# Altium PCB uTCA_MCH_PCB3.pcbdoc (part 4 of 25) (continued)
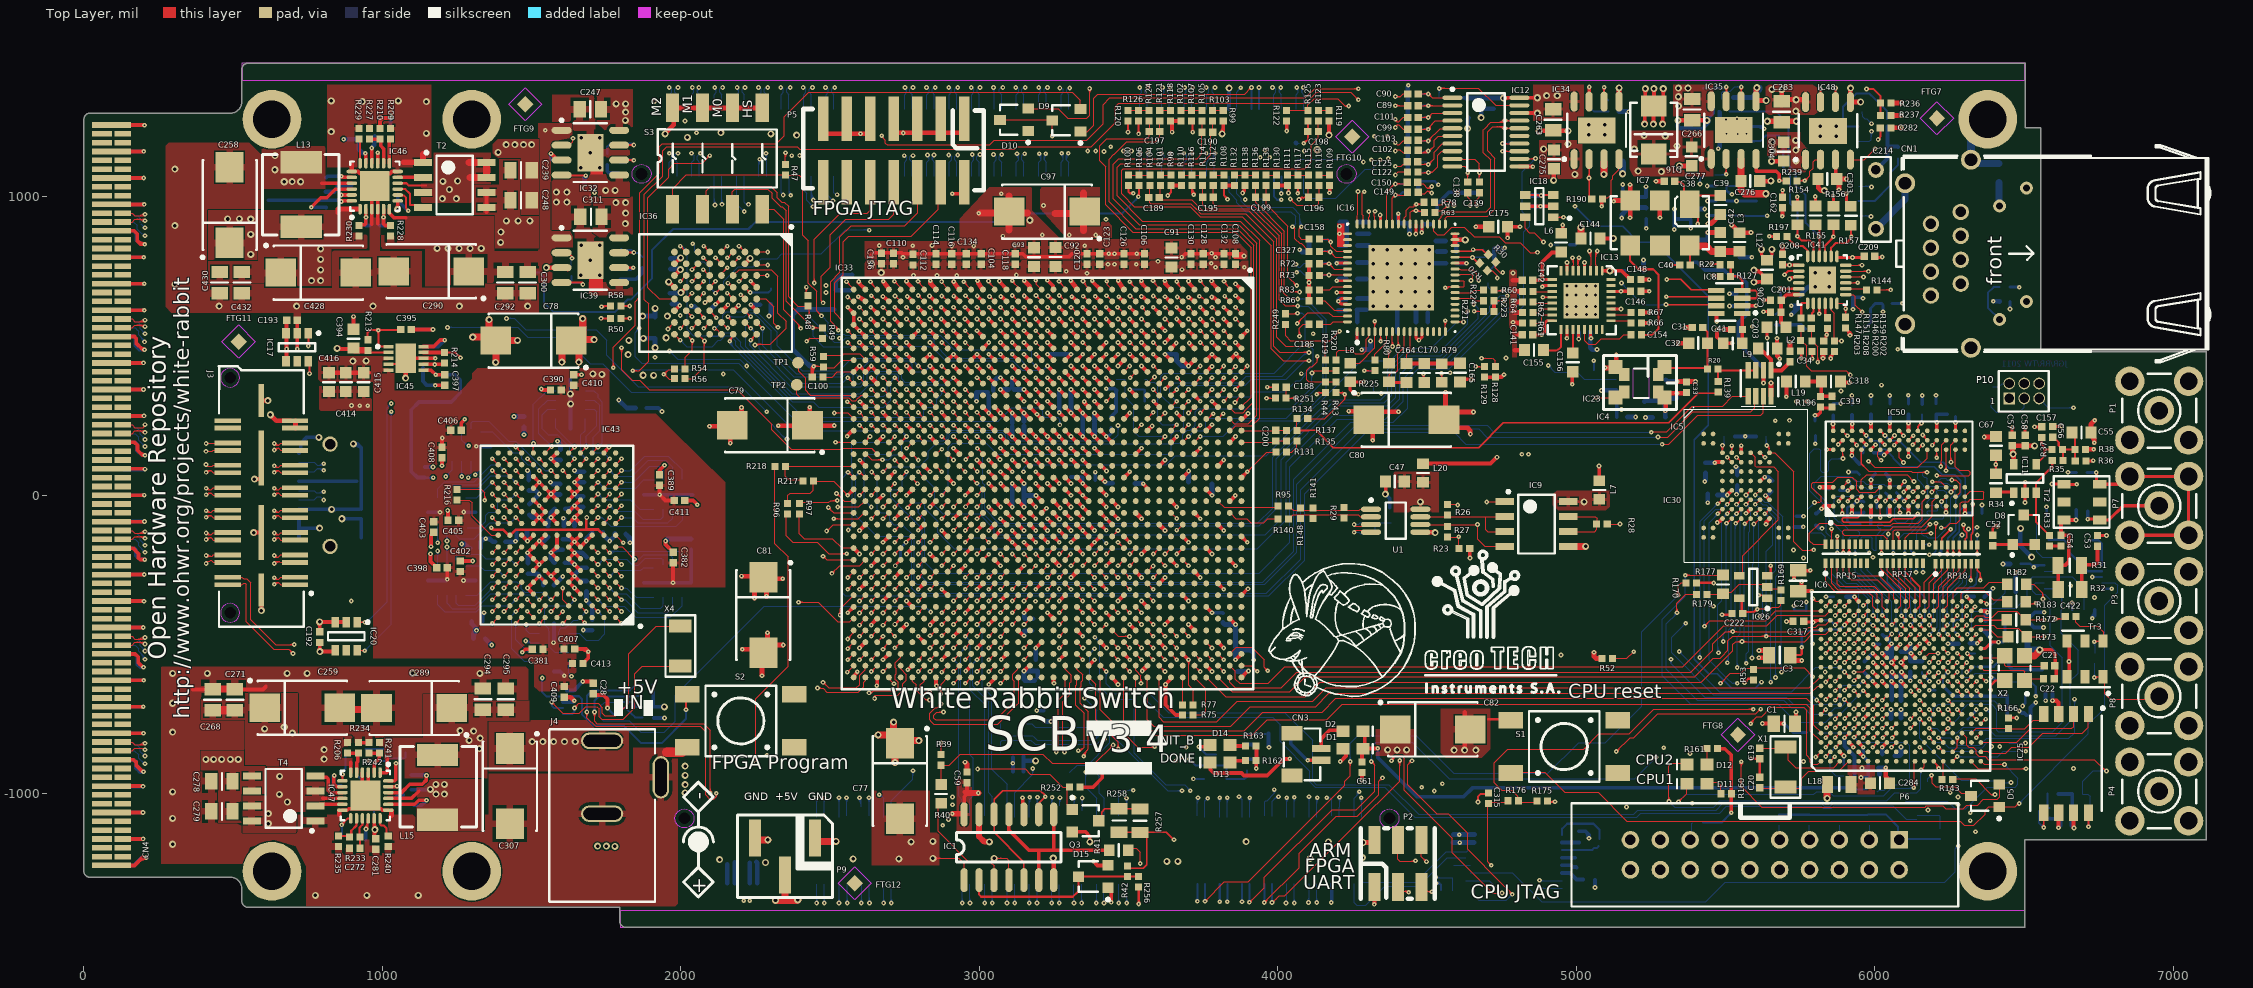
[diagram p0: Top Layer view]
## Nets (pads, with @x,y where several pads share a name; then routed paths per layer and width w, separated by ;. In a path a pad name is that pad's centre, name@x,y a point inside that pad or via, vN(x,y) a via of type N, cw(c..) or ccw(c..) an arc to the next point about the centre after c; other vN are vias at no path point) (continued)
  Top Layer w15.75: v2(624.8,269.65) 644.61,249.84 J3.31@693.11,249.84 ; J3.29@708.86,225.59 J3.31@708.86,249.06 ; v1(2637.8,393.7) IC33.AM9@2657.48,374.02 ; v1(2755.91,433.07) IC33.AJ8@2776.5,412.48 ; IC33.U24@3248.03,-216.54 v1@3266.57,-235.08 ; IC33.H21@3602.36,-98.43 v1(3622.05,-118.11) ; v1(5059.06,-525.59) 5059.06,-541.06 5064.66,-546.66 R52.1@5085.5,-546.66 ; v2@6460.34,135.26 cw(c6447.56,122.48) 6465.63,122.48 ; v2@6461,140.9 6461,164.65 C57.2@6459.94,165.71 C58.2@6503.44,165.71 ; 6461,152.66 ccw(c6477.74,152.66) v2@6465.9,140.82 ; IC11.5@6465.63,103.31 v2@6465.63,132 ; C58.2@6503.72,165.99 C58.2@6503.44,165.71 ; v2@6535.37,164.9 6534.56,165.71 C58.2@6503.44,165.71 ; R38.2@6706.18,153.07 6707.11,154 v1(6733,154)
  Top Layer w27.56: C268.1@431.1,-720.47 C271.1@505.9,-720.47
  MidLayer2 w8: v1@5679.85,1053.85 v1(5680,1054)
  MidLayer2 w11.81: v1@5414,1044.97 ccw(c5414,1060.1) 5424.7,1049.4 ; v1@5417.22,1041.92 5429.93,1054.63 5526.85,1054.63 5559.16,1086.94 5661.71,1086.94 5679.85,1068.8 v1@5679.85,1053.85
  Bottom Layer w3.94: v1(2039.88,842.95) 2047.13,835.71 R55.2@2047.13,818.07
  Bottom Layer w6.89: C270.1@431.1,-720.47 C270.1@431.42,-720.79 ; C269.2@505.9,-720.47 517.76,-720.47 C269.2@518.36,-719.87 ; R207.1@1633.02,733.89 1633.02,714.61 1636.07,711.56 1666.42,711.56 v1(1671.67,706.31) ; v1@2234.25,712.11 cw(c2234.25,701.41) 2241.81,708.97 cw(c2249.37,716.54) v1@2238.68,716.54 ; v1(2234.25,716.54) 2246.06,704.72 R57.2@2257.87,704.72 ; R46.2@3891.36,-835.18 R46.2@3894.25,-838.07 ; 3925.39,-884.12 3926.37,-885.1 ; v1(5058.45,450.29) 5058.45,419.23 R211.2@5058.66,419.02 ; R11.2@5424.53,-1096.71 5486.1,-1096.71 v1@5518.5,-1064.31 ; 5511.11,-1071.7 cw(c5519,-1079.58) v1@5519,-1068.43 ; 5511.57,-1071.24 ccw(c5504.34,-1064) v1@5514.57,-1064 ; R10.2@5678.74,-1070.47 R9.2@5780.62,-1070.47 ; R9.2@5780.64,-1070.49 5976.03,-1070.49 5977.65,-1068.87 6036.44,-1068.87 6077.49,-1109.92 P6.1@6077.49,-1155.02 ; P6.1@6097.25,-1151.98 6097.44,-1152.17 R51.1@6218.73,-1152.17
  Bottom Layer w8: v1@5411.26,1045.74 ccw(c5404.65,1052.35) 5414,1052.35 ccw(c5423.35,1052.35) v1@5416.74,1045.74 ; v1(5414,1043) 5414,1059.75 R191.1@5428.7,1074.45 ; v1@5811.26,610.74 ccw(c5804.51,617.49) 5814.06,617.49 ; v1(5814,608) 5814.06,608.06 C210.2@5814.06,632.36 ; 5814.06,617.22 ccw(c5823.22,617.22) v1@5816.74,610.74 ; R15.2@6311.1,-750.47 6340,-721.57 v1(6340,-718) ; 6330.86,-730.72 ccw(c6318.14,-718) v1@6336.13,-718 ; R5.1@6522.28,-624.68 6539,-641.4 v1(6539,-673) ; v1@6536.26,-670.26 ccw(c6529.65,-663.65) 6539,-663.65 ccw(c6548.35,-663.65) v1@6541.74,-670.26 ; v1@6657.94,-363.21 cw(c6648.33,-372.82) R14.2@6661.92,-372.82 ; R14.2@6661.81,-383.94 6661.92,-384.05 v1@6661.92,-360.47
  Bottom Layer w12.6: CN2.2@720.47,-141.73 CN2.4@720.47,-110.24 ; CN2.6@720.47,-82.68 CN2.4@720.47,-110.24 ; v2@785.47,-114.13 ccw(c776.06,-123.54) 776.06,-110.24 ccw(c776.06,-96.93) v2@785.47,-106.34 ; v2(789.37,-110.24) CN2.4@720.47,-110.24 ; C417.1@1137.8,498.03 1187.01,498.03 v1(1208.66,519.68) ; R18.2@1907.48,-635.83 R19.2@1907.48,-673.23 R17.2@1907.48,-708.66 v2@1948.82,-708.66 ; 1931.57,-708.66 ccw(c1931.57,-695.35) v2@1940.98,-704.76 ; 1931.58,-708.66 cw(c1931.58,-721.97) v2@1940.98,-712.56 ; L5.2@3388.43,50.75 v1(3388.43,77.48) ; v2@3832.9,1360.34 cw(c3824.33,1351.77) 3836.46,1351.77 ; J1.81@3836.46,1293.9 v2@3836.46,1363.89 ; 3836.46,1350.1 cw(c3850.94,1350.1) v2@3840.7,1360.34 ; R46.2@3889.76,-834.65 3913.39,-834.65 3927.17,-848.43 v1(3927.17,-915.35) ; R45.1@3893.97,-884.12 3925.39,-884.12 ; v1(5927,623) 5927.13,623.13 C211.2@5927.13,663.23 5956.77,663.23 v1(5960,660) ; 5948.4,663.23 cw(c5948.4,648.4) v1@5958.89,658.89 ; v1@6726.89,-410.89 ccw(c6702.36,-386.36) R13.2@6737.05,-386.36 ; v1@6728,-411 6737.05,-401.95 R13.2@6737.05,-383.7
  Bottom Layer w15.75: C269.2@503.62,-722.76 C269.2@505.9,-720.47 ; R181.1@1676.83,1037.18 1676.83,1064.15 v1@1680.85,1068.17 ; v2(1872.05,600.39) C64.2@1913.39,600.39 ; C64.2@1913.39,596.26 v2(1913.39,625.98) ; C65.2@1962.6,677.17 v2@1998.03,677.17 ; 1985.74,677.17 ccw(c1985.74,693.39) v2@1997.22,681.92 ; C66.2@2100.12,621.34 2100.12,623.74 v1(2116.14,639.76) ; v1(3070.87,354.33) C86.2@3098.74,354.33 ; C86.2@3110.24,360.12 v1(3110.24,393.7) ; C86.2@3115.55,354.33 v1(3149.61,354.33) ; v1@3150.2,-394.29 3150.2,-410.83 3152.76,-413.39 3157.76,-413.39 ; 3157.8,-413.43 C83.1@3179.76,-413.43 ; C85.2@3188.98,-550.83 v1(3188.98,-511.81) ; C5.1@6024.32,-866.66 v1(6024.32,-843.95) ; C11.1@6087.32,-687.93 C13.1@6087.32,-654.11 v1(6087.32,-623.48) v1@6087.32,-594.11
  Bottom Layer w27.56: C270.1@431.1,-720.47 C269.2@505.9,-720.47
  other v1: 4323.2,-1370.67 2856.65,-638.62 3250,-629.92 6089.28,-591.98 3031.49,-431.1 6728,-412 6660.68,-360.47 3266.57,-235.71 3857.16,-0.96 3346.46,393.7 3858.27,393.7 1175.55,438.19 1734.25,631.89 2420.47,697.28 6000.64,1160.94
  other v2: 805.12,-883.86 805.12,-852.36 698.19,-797.17 605.2,-782.44 671.18,-776.46 1944.88,-708.66 6463.12,138.04 6535.06,165.46 1954.72,600.39 3836.8,1364.24
+2V5_PLL: C151.2 C159.2 C167.1 C169.2 C171.2 C172.2 C263.2 C264.2 C309.2 IC12.18 IC12.20 IC16.27 IC16.41 IC16.54 IC34.8 R188.1 R248.2 | length 651.7
  Top Layer w3.94: v1@4192.91,777.56 v1(4196.85,777.56)
  Top Layer w6.89: v2@4753.13,1329.51 v2@4754.87,1331.25
  Top Layer w9.84: v1(4196.85,777.56) IC16.54@4234.29,777.56 ; IC16.41@4403.54,908.46 v1(4403.54,942.91) ; IC16.27@4593.5,777.56 v1(4631.89,777.56)
  Top Layer w12.6: v2@4756.42,1331.61 IC12.20@4787.91,1331.61 ; v2@4759.8,1326.81 cw(c4771.4,1315.22) 4771.4,1331.61 ; IC12.18@4809.06,1280.51 v2(4869.09,1280.51) ; IC12.20@4809.06,1331.69 v2(4869.09,1331.69) ; v2@4865.2,1276.61 ccw(c4855.79,1267.21) 4855.79,1280.51 ccw(c4855.79,1293.82) v2@4865.2,1284.41 ; v2@4865.2,1327.8 ccw(c4855.79,1318.39) 4855.79,1331.69 ccw(c4855.79,1345) v2@4865.2,1335.59
  Bottom Layer w12.6: R248.2@4575.34,1331.73 C151.2@4624.63,1331.73
  Bottom Layer w15.75: v1@4195.67,777.83 C172.2@4231.1,777.83 ; v1(4403.54,942.91) C169.2@4403.54,911.42 C167.1@4440.94,911.42 ; v1@4440.94,877.95 C167.1@4440.94,901.57 ; C171.2@4598.43,777.56 v1@4625.98,777.56 ; C151.2@4629.92,1330.71 C309.2@4679.13,1330.71 ; C309.2@4681.1,1330.71 4724.41,1330.71 v2(4755.91,1330.71)
  other v1: 4440.73,874.93
  other v2: 4900.48,1338.52 4935.91,1338.52
+2V5_PLL_PG: IC33.AK14 IC34.2 R190.2 | length 5560.8
  Top Layer w3.94: v1(1838.58,417.32) 1860.24,417.32 1892.22,449.31 1892.22,641.24 1877.95,655.51 1877.95,1007.87 1938.98,1068.9 1938.98,1153.54 1952.26,1166.83 2390.26,1166.83 2398.47,1158.62 3117.28,1158.62 3125.98,1167.32 3374.02,1167.32 3454.72,1248.03 3454.72,1301.18 3466.54,1312.99 4093,1312.99 4130.01,1350 4244.49,1350 v1(4269.69,1324.8) ; v1@1842.76,413.15 cw(c1852.84,403.07) 1852.84,417.32 cw(c1852.84,431.58) v1@1842.76,421.5 ; v1@4263.78,1324.8 ccw(c4249.52,1324.8) 4259.6,1334.88 ccw(c4269.69,1344.97) v1@4269.69,1330.71
  Top Layer w4.92: IC33.AK14@2736.22,177.17 v1(2755.91,196.85) ; v1@2750.49,196.85 cw(c2737.42,196.85) 2746.66,187.61 cw(c2755.91,178.37) v1@2755.91,191.44 ; v1@5038.17,1059.17 cw(c5027.43,1048.43) 5042.62,1048.43 ; v1@5038.17,1066.83 ccw(c5026.99,1078.01) 5042.8,1078.01 ; R190.2@5042.62,991.26 5042.62,1062.38 v1(5042,1063) 5042.8,1063.8 IC34.2@5042.8,1125.92 ; 5042.62,1051.43 cw(c5053.57,1051.43) v1@5045.83,1059.17 ; 5042.8,1074.13 ccw(c5053.13,1074.13) v1@5045.83,1066.83
  MidLayer4 w3.94: v1@4271.08,1326.2 ccw(c4279.06,1334.17) 4279.06,1322.89 ; v1@4271.6,1322.89 4405.89,1322.89 ; v1@4273.86,1320.63 cw(c4279.32,1315.16) 4279.32,1322.89 ; v1@4273.86,1328.98 ccw(c4288.56,1343.68) 4288.56,1322.89 ; 4406,1323 4422,1307 4480.78,1307 4584.78,1203 4891.9,1203 4974.11,1120.79 5018.21,1120.79 5042,1097 v1(5042,1063) ; v1@5037.82,1067.18 ccw(c5027.74,1077.26) 5042,1077.26 ccw(c5056.26,1077.26) v1@5046.18,1067.18
  Bottom Layer w3.94: v1(1838.58,417.32) 1842.52,421.26 2175.2,421.26 2379.92,216.54 2738.19,216.54 v1@2755.91,198.82 ; v1@1839.97,415.93 cw(c1852.84,403.07) 1852.84,421.26 ; v1@1842.76,413.15 cw(c1862.34,393.56) 1862.34,421.26 ; 2744.43,210.29 cw(c2730.99,196.85) v1@2750,196.85 ; 2749.18,205.54 ccw(c2755.91,212.26) v1@2755.91,202.76 ; 2751.15,203.57 cw(c2744.43,196.85) v1@2753.94,196.85
+3V0_OSC: C235.2 IC38.5 L2.2 L9.2 R145.2 | length 360.1
  Top Layer w12.6: v1(5471,554) 5471,530 5477,524 5477.14,524 L9.2@5492.13,509.02 v1(5522,509) ; v1(5672,526) 5672.2,525.8 5672.2,465.8 v1(5681,457) ; L2.2@5672.2,482.04 ccw(c5706.04,482.04) v1@5682.11,458.11
  Bottom Layer w12.6: v1(5328,890) 5328.67,890.67 IC38.5@5328.67,925.04 ; v1(5329,959) 5328.67,958.67 IC38.5@5328.67,925.04 ; v1(5383,894) 5383,923.19 5382.88,923.31 5381.15,925.04 IC38.5@5328.67,925.04 ; v1(5513,634) 5535.41,634 R145.2@5536.1,633.31
+3V0_VM53: C33.1 C35.1 C236.2 IC4.4 IC23.4 IC44.5 | length 294.4
  Top Layer w15.75: v1(5297.53,282.63) v1@5298.63,283.73 ; v1@5299.14,284.19 IC4.4@5299.14,324.08 ; IC4.4@5301.39,339.83 5302.81,341.25 C33.1@5368.91,341.25
  Bottom Layer w15.75: IC44.5@5228.09,313.97 5230.2,316.09 5291.78,316.09 5297.26,321.57 5297.26,282.9 v1(5297.53,282.63) 5297.53,262.18 C236.2@5298.42,261.29 ; C35.1@5299.9,324.21 5335.07,324.21 5336.22,325.36 v1@5336.22,340.29
  other v1: 5336.87,341.26
+3V0_VM53_EN: IC33.AN15 IC44.3 R211.1 | length 2982.6
  Top Layer w3.94: IC33.AN15@2618.11,137.8 2620.43,137.8 2639.25,118.98 v1(2675.31,118.98) ; v1@2671.14,114.8 ccw(c2661.06,104.72) 2661.06,118.98 ccw(c2661.06,133.23) v1@2671.14,123.15
  MidLayer4 w3.94: v1@3464.65,227.99 cw(c3464.65,213.74) 3474.73,223.82 cw(c3484.81,233.9) v1@3470.55,233.9 ; v1(3464.65,233.9) 3479.06,219.49 3924.21,219.49 4009.09,304.37 4471.37,304.37 v1(4577,410) ; v1@4571.09,410 cw(c4556.84,410) 4566.92,399.92 cw(c4577,389.84) v1@4577,404.09
  MidLayer2 w3.94: v1@4577,415.91 ccw(c4577,430.16) 4587.08,420.08 ccw(c4597.16,410) v1@4582.91,410 ; v1@4579.5,412.5 4659,492 4849,492 v1(4906,435) ; v1@4900.09,435 ccw(c4885.84,435) 4895.92,445.08 ccw(c4906,455.16) v1@4906,440.91
  Bottom Layer w3.94: v1(2675.31,118.98) 2695.98,118.98 2712,135 2729,135 2740,146 2740,175 2748.07,183.07 2879.72,183.07 2891.73,195.08 2891.73,205.82 2904.41,218.51 3079.83,218.51 3096.46,201.88 3096.46,191.14 3104.53,183.07 3444.21,183.07 3464.65,203.5 v1(3464.65,233.9) ; v1@2679.49,114.8 cw(c2689.57,104.72) 2689.57,118.98 cw(c2689.57,133.23) v1@2679.49,123.15 ; v1@3460.47,229.72 cw(c3450.39,219.64) 3464.65,219.64 cw(c3478.9,219.64) v1@3468.82,229.72 ; v1@4906,429.09 cw(c4906,414.84) 4916.08,424.92 cw(c4926.16,435) v1@4911.91,435 ; v1(4906,435) 4928.1,412.9 5002.19,412.9 5025.72,389.37 R211.1@5061.64,389.37 ; R211.1@5063.65,388.77 IC44.3@5133.6,388.77
+3V3: C6.1 C26.2 C27.2 C29.2 C30.2 C59.2 C143.2 C144.1 C146.2 C148.2 C191.1 C192.1 C193.1 C194.1 C219.1 C242.1 C244.1 C250.2 C252.2 C275.1 C283.2 C287.2 CN2.1 CN2.3 CN2.5 D1.1 D15.2 IC1.14 IC2.10 IC6.V14 IC6.V17 IC7.2 IC13.1 IC13.4 IC13.7 IC13.20 IC13.27 IC13.30 IC17.3 IC17.4 IC18.3 IC18.4 IC19.4 IC19.5 IC20.4 IC21.1 IC22.4 IC25.3 IC25.6 IC31.16 IC34.1 IC38.1 IC38.3 IC44.1 IC48.8 L1.1 L3.2 L6.2 L7.2 L12.2 L18.1 L20.2 R12.2 R116.2 R165.2 R237.2 | length 4466
  Top Layer w6.89: 3712.6,1015.21 ccw(c3726.82,1015.21) v1@3716.76,1005.15 ; R116.2@3712.6,1031.84 ccw(c3743.45,1031.84) v1@3721.64,1010.02 ; R116.2@3712.6,1037.4 3712.6,1012.8 ; v1@3714.15,1007.73 ccw(c3708.6,1008.79) 3712.6,1012.79 ; v1@3717.67,1011.24 cw(c3716.6,1016.8) 3712.6,1012.79 ; v1(3718.5,1006.89) 3712.6,1012.8
  Top Layer w7: IC18.4@4828.74,1005.91 IC18.3@4923.23,1005.91 ; 4866.58,1005.91 cw(c4866.58,988.62) v1@4878.8,1000.84 ; v1@4884.98,1000.84 cw(c4897.2,988.62) 4897.2,1005.91
  Top Layer w9.84: IC13.7@4968.5,751.97 v1(4968.5,779.53) ; v4@5007.87,523.72 IC13.20@5007.87,555.12 ; IC13.4@5027.56,751.97 v1(5027.56,779.53) ; IC13.27@5116.14,624.02 v1(5149.61,624.02) ; IC13.30@5124.02,683.07 v1(5149.61,683.07)
  Top Layer w12.6: IC17.4@679.13,444.88 C193.1@679.13,580.71 ; v2@786.46,-519.72 ccw(c777.05,-510.31) 790.35,-510.31 ccw(c803.66,-510.32) 794.25,-519.72 ccw(c803.66,-510.32) 803.66,-523.62 ccw(c803.66,-536.93) v2@794.25,-527.52 ; C192.1@790.35,-493.11 v2(790.35,-523.62) IC20.4@838.58,-523.62 ; IC1.14@2949.02,-1069.25 2949.02,-1009.98 2958.78,-1000.22 2958.78,-997.22 ; 2949.26,-994.19 2952.29,-997.22 2958.78,-997.22 ; C59.2@2958.78,-962.87 2958.78,-997.22 ; v1(3382,-1226) 3396.1,-1240.1 D15.2@3430.75,-1240.1 ; v1@4210.63,-891.73 4228.35,-874.02 D1.1@4228.35,-848.42 ; L20.2@4486.38,105.98 4712.21,105.98 v4(4733.99,127.76) ; L6.2@4940.94,870.08 4954.71,883.85 v1(4954.71,905.51) ; v4(5075.86,97.85) 5076.79,96.92 L7.2@5076.79,49.15 ; C144.1@5078.74,860.24 v2(5124.02,860.24) ; IC13.1@5090.55,751.97 v2(5112.2,751.97) 5151.57,751.97 C148.2@5181.1,722.44 ; v2@5108.31,748.07 ccw(c5098.9,738.66) 5098.9,751.97 ccw(c5098.9,765.27) v2@5108.31,755.87 ; v2@5116.1,748.07 cw(c5125.51,738.66) 5125.51,751.97 cw(c5125.51,765.28) v2@5116.1,755.87 ; v2@5120.12,856.34 ccw(c5110.71,846.93) 5110.71,860.24 ccw(c5110.71,873.55) v2@5120.12,864.13 ; v1@5151.58,683.07 C146.2@5181.1,683.07 ; v2@5595,715 5628.78,715 L12.2@5638.23,724.45 5612.68,750 ; v2@5595,750 5612.68,750 ; v2@5598.9,710.1 cw(c5610.72,698.28) 5610.72,715 ; v2@5599.6,757.04 ccw(c5612.68,765.67) 5612.68,750 ; v1(6343.23,-495.53) IC6.V14@6355.04,-483.72 ; IC6.V17@6355.04,-387.26 6372.76,-387.26 6377,-391.5 v1(6377,-392) ; IC6.V17@6361.75,-387.26 cw(c6361.75,-407.25) v1@6375.89,-393.11 ; v1(6595,-688) 6609,-688 6615.59,-694.59 ; v1@6595.45,-689.51 cw(c6601.26,-708.92) 6615.59,-694.59 ; v1(6615,-1114) 6615.59,-1113.41 IC25.6@6615.59,-1041.85 ; IC25.3@6615.59,-754.45 6615.59,-694.59
  Top Layer w15.75: v1@5279.25,930.75 IC7.2@5279.25,987.12 ; v1@5521.62,905 L3.2@5546.77,879.84 5584.84,879.84 v1(5585,880) ; C283.2@5672.5,1326.13 C283.2@5688.02,1326.13 ; C283.2@5688.02,1324.95 C283.2@5688.02,1326.13 ; v2@5688.02,1358.98 C283.2@5688.02,1326.13 ; 5723.78,1326.13 cw(c5723.78,1312.78) v2@5733.22,1322.22 ; v2@5738.78,1322.22 cw(c5748.22,1312.78) 5748.22,1326.13 ; IC48.8@5767.86,1317.19 5758.92,1326.13 C283.2@5688.02,1326.13 ; R237.2@6053.61,1272.43 v1@6088.57,1272.43
  Top Layer w19.68: v1(2909.42,-1066.95) IC1.14@2943.62,-1066.95 ; 2958.78,-997.22 v1(2996.47,-997.22)
  Top Layer w23.62: v2@5840.07,-1010.96 L18.1@5840.07,-978.42
  MidLayer4 w7: 3413.51,925 cw(c3413.51,914.17) v1@3421.17,921.83 ; 3413.89,925 ccw(c3413.89,935.29) v1@3421.17,928.01 ; v1@3420.63,357 ccw(c3410.07,357) 3417.53,364.47 ccw(c3425,371.93) v1@3425,361.37 ; v1(3424.26,924.92) 3424.18,925 3382,925 3327,870 3327,707.24 3313.35,693.59 3300.63,693.59 3289,681.96 3289,461 3297,453 3393,453 3405,441 3405,377 v1(3425,357)
  Bottom Layer w3.94: C143.2@5008.48,545.61 C143.2@5011.21,548.34
  Bottom Layer w8: C27.2@6489.17,-229.65 6520.65,-229.65 v1(6532,-241) 6538.67,-234.33 IC2.10@6567.96,-234.33 ; v1@6528.13,-241 ccw(c6518.77,-241) 6525.39,-234.39 ccw(c6532,-227.77) v1@6532,-237.13 ; v1@6529.08,-238.08 cw(c6538.14,-247.14) 6538.14,-234.33 ; v1@6534.74,-243.74 cw(c6557.45,-266.45) IC2.10@6557.45,-234.33 ; v1@6572.26,-41.74 cw(c6562.7,-51.3) 6576.22,-51.3 ; R12.2@6576.22,-67.17 v1@6576.22,-40.22
  Bottom Layer w11.81: C242.1@5007.32,-1125.62 5030.94,-1125.62 ; v1@5040.41,-1149.11 ccw(c5008.06,-1148.51) 5030.94,-1125.62 ; v1@5042.75,-1147.64 5042.75,-1137.43 5030.94,-1125.62
  Bottom Layer w12.6: v2(864.17,-78.74) CN2.5@929.13,-78.74 CN2.3@929.13,-110.24 CN2.1@929.13,-141.73 ; v2@868.07,-82.64 cw(c877.48,-92.05) 877.48,-78.74 cw(c877.48,-65.43) v2@868.07,-74.84 ; C29.2@3147.64,-925.2 IC21.1@3147.64,-874.02 ; v1(3425,357) 3453.43,357 IC19.5@3459.13,351.3 ; C194.1@3440.16,262.13 3457.76,279.72 3457.76,313.9 IC19.5@3457.76,351.3 ; C244.1@4586.47,-1135.45 C244.1@4587.79,-1136.77 ; v2(5112.2,751.97) 5161.02,751.97 C287.2@5161.57,751.42 ; v2@5116.1,748.07 cw(c5125.51,738.66) 5125.51,751.97 cw(c5125.51,765.28) v2@5116.1,755.87 ; IC44.1@5133.6,313.97 5135.02,312.55 5135.02,288.09 ; C252.2@5135.02,262.32 5135.02,288.09 ; v1(5151.04,287.09) 5150.04,288.09 5135.02,288.09 ; v1(5155,1041) 5155,1021.07 C250.2@5176.62,999.45 5233.79,999.45 IC38.3@5234.18,999.84 5233,1001.02 v1(5233,1034) ; v1(5234,894) 5234.18,894.18 IC38.1@5234.18,925.04 ; v1(6572,-688) L1.1@6572,-664.42 ; R165.2@6585.68,-1083.08 6586.75,-1084.15 C219.1@6622.1,-1084.15 ; v1(6595,-688) L1.1@6595,-658 ; v1@6613.89,-1112.89 ccw(c6593.48,-1092.48) C219.1@6622.34,-1092.48 ; v1(6615,-1114) 6622.34,-1106.66 C219.1@6622.34,-1083.5
  Bottom Layer w15.75: 3151.81,-889.57 v2(3188.39,-889.57) ; C30.2@3217.28,-757.87 v1(3240.15,-757.87) 3254.4,-743.62 IC22.4@3281.69,-743.62 ; C244.1@4587.79,-1136.77 IC31.16@4659.28,-1136.77 ; C191.1@4850.39,1003.94 v1(4881.89,1003.94) ; v4@5008.48,525.57 C143.2@5008.48,545.61 ; C6.1@6318.43,-495.53 v1(6343.23,-495.53) ; C26.2@6371.78,-419.97 6371.78,-396.11 6375.89,-392 v1(6377,-392) ccw(c6389.6,-404.6) 6371.78,-404.6 ; v2(6488,-111) 6487.48,-111.52 6487.48,-169.48 v2(6525,-207)
  other v1: 5042.38,-1149.15 4607.74,-1137.22 4208.66,-891.73 6575,-39 679.13,490.16 5520,905 5280,930 6089,1272
  other v2: 1750.08,-1175.75 1778.86,-1176.14 1721.1,-1175.39 5840.27,-1015.61 5595,714 5595,754 4995,1075 4890,1160 4972.17,1176.67 5735.64,1287.17 5736,1325 5655,1360 5688,1360
  other v4: 5007.85,523.7
+3V3_PG: IC33.AJ15 IC48.2 R239.2 | length 3622.4
  Top Layer w3.94: IC33.AJ15@2775.59,137.8 v1@2795.12,118.27 ; v1@2789.37,118.11 ccw(c2775.11,118.11) 2785.19,128.19 ccw(c2795.28,138.27) v1@2795.28,124.02
  Top Layer w4: R239.2@5738.53,1053.1 5738.63,1053 5765,1053 5782.46,1070.46 5782.46,1085.46 5793,1096 5793,1117 5800.28,1124.28 IC48.2@5817.86,1124.28 ; R239.2@5748.4,1053 ccw(c5748.4,1070.6) v1@5760.85,1058.15 ; 5753.23,1053 cw(c5753.23,1042.23) v1@5760.85,1049.85 ; v1@5765,1059.87 ccw(c5765,1076.47) 5776.73,1064.73 ; v1@5770.87,1054 cw(c5782.64,1054) 5774.32,1062.32
  MidLayer3 w3.94: v1@2794.09,118.11 2848.59,172.61 ; v1@2795.28,124.02 ccw(c2795.28,135.42) 2803.34,127.36 ; v1@2801.18,118.11 cw(c2818.29,118.11) 2806.19,130.21 ; 2849.12,172.87 3801.22,172.87 3845.48,217.13 3922.13,217.13 4097.77,392.77 4115.6,392.77 4272.44,549.61 4370.08,549.61 4427.56,607.09 4532.25,607.09 4549.46,624.3 4549.46,653.51 4685.08,789.13 4940.84,789.13 5097.3,945.59 5126.09,945.59 5196.25,1015.75 5494.07,1015.75 5514.5,1036.18 5644.98,1036.18 5645.07,1036.27 5747.54,1036.27 v1@5765.4,1054.13
  other v1: 2795.28,118.11 5765,1054
+3V3_PHY: C68.2 C162.2 C208.1 C209.1 C212.1 C213.1 C215.1 C216.1 IC40.4 IC41.1 IC41.19 L12.1 R154.2 R155.2 R156.2 R157.2 Tr1.2 Tr1.7 | length 1154.6
  Top Layer w10: v2@5615.18,819.18 cw(c5603.56,807.56) 5620,807.56 cw(c5636.44,807.56) v2@5624.82,819.18 ; v2(5620,824) 5620,805.67 L12.1@5638.23,787.44 5655,804.21 v2(5655,824) ; v2@5650.18,819.18 cw(c5638.56,807.56) 5655,807.56 cw(c5671.44,807.56) v2@5659.82,819.18 ; C208.1@5692.12,770.6 IC41.1@5745.08,770.6 ; 5705.83,770.6 ccw(c5705.83,779.66) v1@5712.24,773.25 ; v1@5716.3,773.25 ccw(c5722.71,779.66) 5722.71,770.6 ; v1@5737.97,997.57 cw(c5731.88,991.48) 5740.49,991.48 ; R154.2@5740.49,968.91 v1@5740.49,997.68 ; v1@5798.53,999.02 cw(c5792.27,992.76) 5801.12,992.76 ; R155.2@5801.12,968.91 v1@5801.12,1001.05 ; v1@5858.6,1000.94 cw(c5851.56,993.9) 5861.51,993.9 ; R156.2@5861.51,968.51 v1@5861.51,1003.51 ; IC41.19@5873.03,800.13 5876.94,796.22 v1(5925,796.22) C209.1@5964.09,796.22 ; v1@5902.2,1008.32 cw(c5895.43,1001.55) 5905,1001.55 ; v1@5905,1005 5905,982.15 R157.2@5919.54,967.61
  Top Layer w12.6: v1@5690.87,935.87 C162.2@5690.87,962.87
  MidLayer1 w3.94: 5611.61,985.99 5612.61,984.99
  MidLayer1 w27.56: v1(5536.21,985.99) 5611.61,985.99
  Bottom Layer w10: C216.1@5503.58,985.75 5503.78,985.94 Tr1.2@5604.06,985.94 ; C213.1@5511.46,1235.87 Tr1.7@5565.2,1235.87 ; Tr1.7@5565.28,1235.94 5620.31,1235.94 v1@5629.49,1226.76 ; Tr1.7@5602.23,1235.94 cw(c5602.23,1200.24) v1@5627.48,1225.49 ; v2@5615.18,819.18 cw(c5603.56,807.56) 5620,807.56 cw(c5636.44,807.56) v2@5624.82,819.18 ; v2@5620,820 5620,804.13 C68.2@5641.69,782.44 5655,795.75 v2@5655,820 ; 5623.27,1232.98 ccw(c5629.51,1239.22) v1@5629.51,1230.39 ; v2@5650.18,819.18 cw(c5638.56,807.56) 5655,807.56 cw(c5671.44,807.56) v2@5659.82,819.18 ; C212.1@5690.71,772.09 5714.91,772.09 5715.78,771.22 v1(5714.27,771.22) ; 5705.24,772.09 cw(c5705.24,762.19) v1@5712.24,769.19 ; IC40.4@5965.94,557.83 5985,576.89 5985,626 6001.91,642.91 C215.1@6021.97,642.91 6027,637.88 v1(6027,615)
  other v1: 5690,935 5740,999.6 5800.56,1001.05 5860.63,1002.97 5904.23,1010.35 5629.51,1227.52
+3V3_PLL: C173.2 C174.2 C175.1 C176.2 C177.2 C178.2 C180.2 C181.2 C183.2 C184.2 C186.2 C187.2 C266.2 C267.2 IC16.1 IC16.11 IC16.12 IC16.30 IC16.31 IC16.32 IC16.38 IC16.49 IC16.50 IC16.51 IC16.57 IC16.60 IC16.61 IC35.8 L8.2 R189.1 | length 839.2
  Top Layer w9.84: v1@4198.82,718.5 IC16.57@4233.27,718.5 ; v1(4202.76,649.61) 4212.6,659.45 IC16.60@4222.4,659.45 ; v1@4202.95,649.61 4212.48,640.08 IC16.61@4232.28,640.08 ; L8.2@4242.13,370.08 4242.13,352.36 4255.91,338.58 v1(4269.69,338.58) ; L8.2@4242.13,379.92 v1(4287.4,379.92) ; v1(4265.75,513.78) IC16.1@4265.75,546.93 ; IC16.11@4462.6,548.23 4462.6,527.13 4471.65,518.07 4482.32,528.74 IC16.12@4482.32,543.7 ; v1@4462.6,875.61 IC16.38@4462.6,906.61 ; 4463.3,526.42 ccw(c4472.44,535.56) 4472.44,522.64 ccw(c4472.44,531.76) 4478.89,525.31
  Top Layer w15.75: IC16.30@4593.46,841.18 IC16.31@4593.5,856.3 ; IC16.32@4593.5,872.13 IC16.31@4593.5,856.3 v2@4625.43,856.3 ; v1(4663.39,899.61) C175.1@4706.69,899.61
  Bottom Layer w10.83: v1(4265.75,513.78) C176.2@4265.75,545.28
  Bottom Layer w15.75: 4202.6,620.08 C184.2@4230.31,620.08 ; v1(4202.76,649.61) cw(c4221.96,630.41) C174.2@4221.96,657.56 ; 4203.9,657.56 C174.2@4230.43,657.56 ; 4206.34,836.61 C180.2@4230.31,836.61 C173.2@4230.31,915.35 ; v1(4206.54,901.61) cw(c4230.31,887.91) C173.2@4230.31,915.35 ; 4206.97,915.35 C173.2@4230.31,915.35 ; v1@4207.72,875.98 C181.2@4230.31,875.98 ; 4214.15,725.67 ccw(c4214.15,701.21) v1(4196.85,718.5) 4204.02,725.67 C183.2@4229.53,725.67 ; C178.2@4598.03,815.6 C177.2@4598.03,851.74 ; C177.2@4601.18,856.14 v2@4625.59,856.14
  other v1: 4472.44,519.68 4462.39,874.93 4206.69,875.98
  other v2: 4627.82,855.83 5342,1304 5342,1335 5342,1364 5374,1364
+3V3_PLL_PG: IC33.AF15 IC35.2 R191.2 | length 4799.4
  Top Layer w3.94: v1@2668.99,1204.9 2684.86,1189.03 2684.86,1180.06 2690.72,1174.2 3034.44,1174.2 3049.21,1188.98 3360.24,1188.98 3415.35,1244.09 3415.35,1309.06 3437.4,1331.1 4092,1331.1 4123.1,1362.2 v1(4269.69,1362.2) ; v1@2672.55,1198.58 cw(c2672.55,1191.93) 2677.25,1196.64 ; v1@2674.52,1204.49 ccw(c2686.88,1204.49) 2678.14,1195.75 ; IC33.AF15@2893.7,137.8 v1(2913.39,118.11) ; v1@2907.48,118.11 ccw(c2893.22,118.11) 2903.3,128.19 ccw(c2913.39,138.27) v1@2913.39,124.02 ; v1@4265.51,1358.03 ccw(c4255.43,1347.95) 4255.43,1362.2 ccw(c4255.43,1376.46) v1@4265.51,1366.38
  Top Layer w4: v1@5497.85,1079.15 ccw(c5488.16,1088.84) 5501.86,1088.84 ; 5501.86,1089.52 ccw(c5516.52,1089.52) v1@5506.15,1079.15 ; IC35.2@5501.86,1126.95 5501.86,1075.14 v1(5502,1075)
  MidLayer1 w3.94: v1@2672.55,1198.58 cw(c2672.55,1188.5) 2679.68,1195.63 ; v1@2672.94,1202.37 2696.43,1178.88 2696.43,1142.31 2727.56,1111.18 2727.56,1111.1 3050.02,788.64 3050.02,564.98 2938.35,453.31 2938.35,143.08 v1(2913.39,118.11) ; v1@2678.46,1204.49 ccw(c2696.89,1204.49) 2683.85,1191.46 ; v1@2913.39,124.02 ccw(c2913.39,138.26) 2923.46,128.19 ccw(c2933.56,118.11) v1@2919.29,118.11
  MidLayer4 w3.94: v1(4269.69,1362.2) 4417.8,1362.2 4453,1327 4714,1327 4736.02,1304.98 4927.88,1304.98 5011.03,1221.83 5011.03,1191.14 ; v1@4273.86,1358.03 cw(c4283.94,1347.95) 4283.94,1362.2 cw(c4283.94,1376.46) v1@4273.86,1366.38 ; 5011.45,1190.31 5130.06,1071.7 5130.06,1037.25 5156.6,1010.71 5465.19,1010.71 5502.11,1047.63 v1@5502.11,1072.93 ; v1@5497.82,1070.82 cw(c5487.48,1060.48) 5502.11,1060.48 ; 5502.11,1061.01 cw(c5515.99,1061.01) v1@5506.18,1070.82
  Bottom Layer w4: R191.2@5464.13,1074.45 5501.45,1074.45 v1(5502,1075) ; 5486.49,1074.45 ccw(c5486.49,1090.51) v1@5497.85,1079.15 ; 5489.15,1074.45 cw(c5489.15,1062.15) v1@5497.85,1070.85
  other v1: 2672.55,1204.49